# Allegro board pc065a_toplevel_49_modvia.brd (continued)
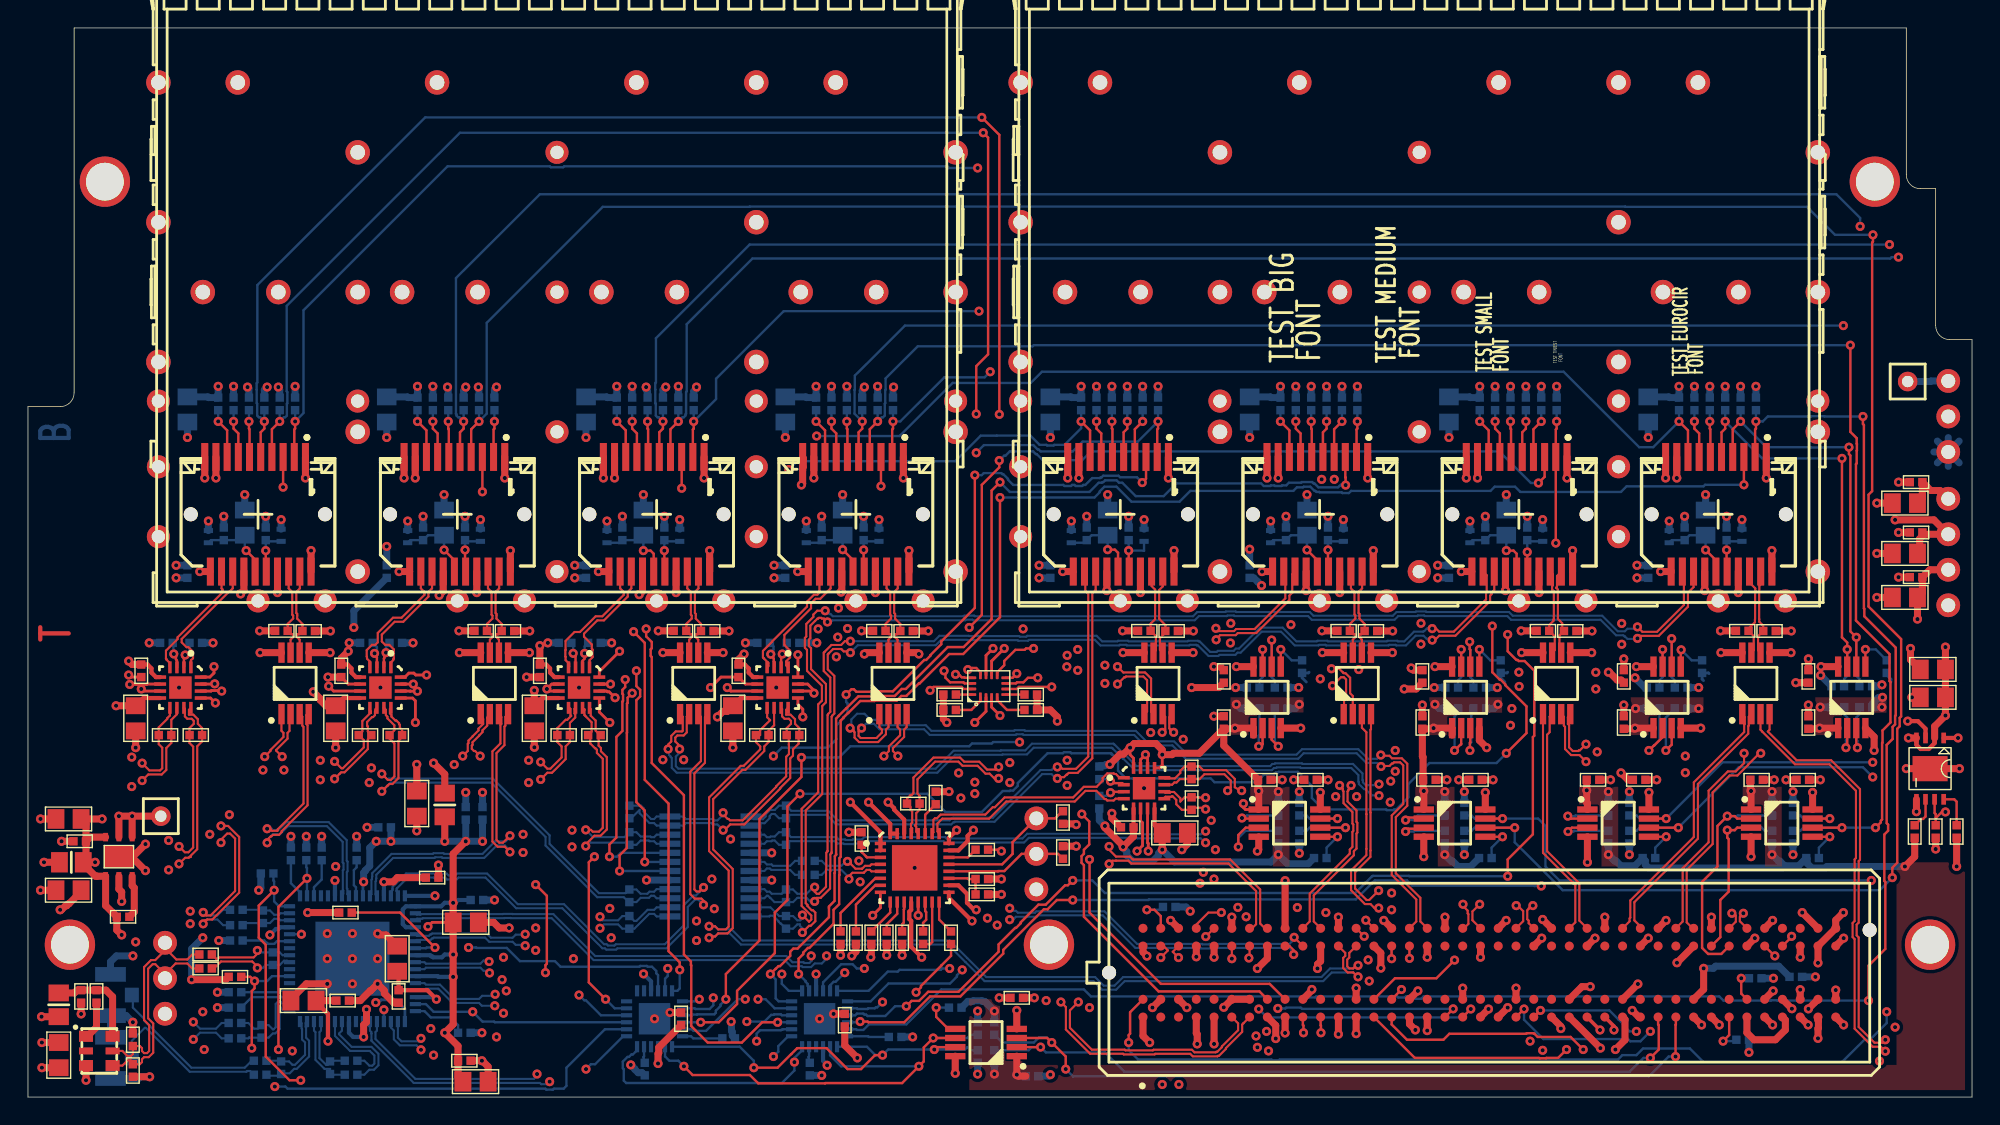
[diagram p0: board, top side]
## Routing (per net, layer and track width the routed paths; a pad name or vN(x,y) marks a point on that pad's centre or on a via; arc(x,y) is an arc through that point) (continued)
SFP_TX_DISABLE<6>: length 93.9
  TOP w0.17: v1(108,43.94) 108.44,44.38 J28.3 ; v1(67.3,33.6) 68.2,34.5 68.2,43.81 69.45,45.05 v1(69.45,45.55)
  L3_SIG w0.17: v1(58.6,33.52) 59.27,34.2 66.7,34.2 v1(67.3,33.6)
  L6_SIG w0.17: v1(58.6,33.52) 57.72,33.52 57.68,33.48 57.66,33.48 57.33,33.15 57.33,33.12 57.12,32.92 57.12,32.38 57.12,32.38 57.12,32.36 56.77,32.01 56.77,28.47 56.3,28 56.3,21.2 55.3,20.2 55.3,14 53.9,12.6 v1(53.9,8.8)
  BOTTOM w0.17: IC10.7 54.4,7.6 53.9,8.1 v1(53.9,8.8) ; v1(69.45,45.55) 69.79,45.89 69.89,45.89 70.2,46.2 71.87,46.2 72.06,46.01 72.12,46.01 72.56,45.57 75.37,45.57 76,46.2 105.2,46.2 107.46,43.94 v1(108,43.94)
SFP_TX_DISABLE<7>: length 101.2
  TOP w0.17: v1(69.5,42.9) 69.5,34.33 66.87,31.7 65.86,31.7 63.76,29.6 63.7,29.6 62.8,28.7 62.44,28.7 62.11,28.37 60.55,28.37 60.52,28.34 59.51,28.34 58.65,27.48 58.63,27.48 58.3,27.15 58.3,27.13 58.11,26.94 58.11,17.19 58.02,17.1 58.02,15.91 58,15.88 58,13.8 57.6,13.4 57.6,12.4 55.87,10.67 55.76,10.67 55.43,10.34 55.43,10.23 55.1,9.9 v1(55.1,8.8) ; J24.3 v1(122.69,43.81)
  BOTTOM w0.17: v1(122.69,43.81) 119.91,43.81 119.8,43.7 114.3,43.7 113.9,43.3 106.7,43.3 106.33,43.67 104.87,43.67 104.57,43.37 94.6,43.37 94.45,43.22 93.98,43.22 93.97,43.23 93.96,43.23 93.92,43.27 92.36,43.27 92.33,43.3 92.13,43.3 92.05,43.37 91.99,43.37 91.69,43.67 91.21,43.67 91.17,43.63 90.73,43.63 90.47,43.37 83.11,43.37 82.34,42.6 78.9,42.6 77.83,43.67 76.96,43.67 76.63,43.34 76.63,43.28 76.25,42.9 v1(69.5,42.9) ; v1(55.1,8.8) 55.6,8.3 55.6,8.25 55.74,8.1 55.74,7.96 55.85,7.85 IC10.8
UNNAMED_1_CAPCERSMDCL2_I31_B: length 5.7
  TOP w0.17: J7.15 16.24,38.46 v1(15.6,39.1)
  BOTTOM w0.17: v1(15.6,39.1) 15.5,39.2 C34.2 15.15,39.85 C35.2 13.09,39.85 L5.1
UNNAMED_1_CAPCERSMDCL2_I31_B_1: length 5.7
  TOP w0.17: J12.15 30.49,38.41 v1(29.75,39.15)
  BOTTOM w0.17: L7.1 27.34,39.85 C44.2 28.6,40.2 C43.2 v1(29.75,39.15)
UNNAMED_1_CAPCERSMDCL2_I31_B_2: length 6
  TOP w0.17: J16.15 44.74,38.88 44.52,39.1 v1(44,39.1)
  BOTTOM w0.17: v1(44,39.1) C48.2 43.65,39.85 C49.2 42.31,39.66 L9.1
UNNAMED_1_CAPCERSMDCL2_I31_B_3: length 5.7
  TOP w0.17: v1(58.25,39.17) 58.99,38.43 J20.15
  BOTTOM w0.17: v1(58.25,39.17) C53.2 57.9,39.85 C54.2 56.56,39.66 L11.1
UNNAMED_1_CAPCERSMDCL2_I31_B_4: length 5.7
  TOP w0.17: v1(119.95,39.15) 120.69,38.41 J24.15
  BOTTOM w0.17: L13.1 117.53,39.85 C63.2 118.8,40.2 C62.2 v1(119.95,39.15)
UNNAMED_1_CAPCERSMDCL2_I31_B_5: length 6
  TOP w0.17: v1(105.7,39.1) 106.22,39.1 106.44,38.88 J28.15
  BOTTOM w0.17: v1(105.7,39.1) C67.2 104.55,40.2 C68.2 103.28,39.85 L15.1
UNNAMED_1_CAPCERSMDCL2_I31_B_6: length 5.7
  TOP w0.17: J32.15 92.19,38.41 v1(91.45,39.15)
  BOTTOM w0.17: L17.1 89.03,39.85 C73.2 90.3,40.2 C72.2 v1(91.45,39.15)
UNNAMED_1_CAPCERSMDCL2_I31_B_7: length 6
  TOP w0.17: J36.15 77.94,38.95 77.72,39.17 v1(77.2,39.17)
  BOTTOM w0.17: v1(77.2,39.17) C77.2 76.05,40.2 C78.2 75.52,39.66 L19.1
UNNAMED_1_CAPCERSMDCL2_I35_B: length 3.4
  TOP w0.17: J7.16 17,37.64 v1(17,39.1)
  BOTTOM w0.17: 18.1,39.77 17.09,39.77 C33.2 v1(17,39.1)
UNNAMED_1_CAPCERSMDCL2_I35_B_1: length 3.4
  TOP w0.17: v1(31.25,39.15) 31.25,37.64 J12.16
  BOTTOM w0.17: v1(31.25,39.15) C42.2 31.34,39.77 32.35,39.77
UNNAMED_1_CAPCERSMDCL2_I35_B_2: length 3.4
  TOP w0.17: v1(45.5,39.1) 45.5,37.64 J16.16
  BOTTOM w0.17: v1(45.5,39.1) C47.2 45.59,39.77 46.6,39.77
UNNAMED_1_CAPCERSMDCL2_I35_B_3: length 3.4
  TOP w0.17: J20.16 59.75,37.64 v1(59.75,39.15)
  BOTTOM w0.17: v1(59.75,39.15) C52.2 59.84,39.77 60.85,39.77
UNNAMED_1_CAPCERSMDCL2_I35_B_4: length 3.4
  TOP w0.17: J24.16 121.45,37.64 v1(121.45,39.15)
  BOTTOM w0.17: 122.55,39.77 121.53,39.77 C61.2 v1(121.45,39.15)
UNNAMED_1_CAPCERSMDCL2_I35_B_5: length 3.4
  TOP w0.17: v1(107.2,39) 107.2,37.64 J28.16
  BOTTOM w0.17: 108.3,39.77 107.28,39.77 C66.2 v1(107.2,39)
UNNAMED_1_CAPCERSMDCL2_I35_B_6: length 3.4
  TOP w0.17: v1(92.95,39.15) 92.95,37.64 J32.16
  BOTTOM w0.17: 94.05,39.77 93.03,39.77 C71.2 v1(92.95,39.15)
UNNAMED_1_CAPCERSMDCL2_I35_B_7: length 4.1
  TOP w0.17: v1(78.7,39.1) 78.7,37.64 J36.16
  BOTTOM w0.17: C76.2 v1(78.7,39.1) 79.78,39.1 79.8,39.08 79.8,39.77
UNNAMED_1_CON20PSFP_I19_RATES_1: length 3.5
  TOP w0.17: J12.7 29.29,47.49 28.95,47.83 v1(28.95,48.35)
  BOTTOM w0.17: R41.1 v1(28.95,48.35)
UNNAMED_1_CON20PSFP_I19_RATES_2: length 3.5
  TOP w0.17: v1(43.2,48.35) 43.2,47.83 43.54,47.49 J16.7
  BOTTOM w0.17: R49.1 v1(43.2,48.35)
UNNAMED_1_CON20PSFP_I19_RATES_3: length 3.5
  TOP w0.17: J20.7 57.79,47.49 57.45,47.83 v1(57.45,48.35)
  BOTTOM w0.17: R57.1 v1(57.45,48.35)
UNNAMED_1_CON20PSFP_I19_RATES_4: length 3.5
  TOP w0.17: v1(119.15,48.35) 119.15,47.83 119.49,47.49 J24.7
  BOTTOM w0.17: R106.1 v1(119.15,48.35)
UNNAMED_1_CON20PSFP_I19_RATES_5: length 3.5
  TOP w0.17: v1(104.9,48.35) 104.9,47.83 105.24,47.49 J28.7
  BOTTOM w0.17: R114.1 v1(104.9,48.35)
UNNAMED_1_CON20PSFP_I19_RATES_6: length 3.5
  TOP w0.17: v1(90.65,48.35) 90.65,47.83 90.99,47.49 J32.7
  BOTTOM w0.17: R122.1 v1(90.65,48.35)
UNNAMED_1_CON20PSFP_I19_RATES_7: length 3.5
  TOP w0.17: v1(76.4,48.35) 76.4,47.83 76.74,47.49 J36.7
  BOTTOM w0.17: R130.1 v1(76.4,48.35)
UNNAMED_1_CON20PSFP_I19_RATESEL: length 3.5
  TOP w0.17: J7.7 15.04,47.49 14.7,47.83 v1(14.7,48.35)
  BOTTOM w0.17: R29.1 v1(14.7,48.35)
UNNAMED_1_RSMD0402_I7_B: length 3.3
  TOP w0.17: IC11.5 65.8,4.88 64.94,5.74 v1(64.94,6.4)
  BOTTOM w0.17: R133.2 v1(64.94,6.4)
UNNAMED_1_RSMD0402_I7_B_1: length 3.1
  TOP w0.17: IC12.5 v1(93.63,18.62)
  BOTTOM w0.17: R138.2 92.85,17.85 v1(93.63,18.62)
UNNAMED_1_RSMD0402_I7_B_2: length 3.1
  TOP w0.17: IC14.5 v1(105.43,18.62)
  BOTTOM w0.17: R143.2 104.65,17.85 v1(105.43,18.62)
UNNAMED_1_RSMD0402_I7_B_3: length 3.1
  TOP w0.17: IC15.5 v1(117.13,18.62)
  BOTTOM w0.17: R148.2 116.35,17.85 v1(117.13,18.62)
UNNAMED_1_RSMD0402_I7_B_4: length 3.1
  TOP w0.17: IC16.5 v1(128.83,18.62)
  BOTTOM w0.17: R153.2 128.05,17.85 v1(128.83,18.62)
UNNAMED_1_RSMD0402_I7_B_5: length 3.1
  TOP w0.17: 89.58,30.8 v1(89.58,32.03)
  BOTTOM w0.17: R158.2 90.35,31.25 v1(89.58,32.03)
UNNAMED_1_RSMD0402_I7_B_6: length 3.1
  TOP w0.17: 103.78,30.8 v1(103.78,32.03)
  BOTTOM w0.17: R163.2 104.55,31.25 v1(103.78,32.03)
UNNAMED_1_RSMD0402_I7_B_7: length 3
  TOP w0.17: v1(118.2,32) 118.17,31.98 IC19.5
  BOTTOM w0.17: R168.2 118.95,31.25 v1(118.2,32)
UNNAMED_1_RSMD0402_I7_B_8: length 3.1
  TOP w0.17: IC20.5 v1(131.38,32.03)
  BOTTOM w0.17: v1(131.38,32.03) 132.12,32.03 R173.2
UNNAMED_1_RSMD0402_I10_B: length 1.9
  TOP w0.17: IC4.3 10.65,31.24 10.58,31.31 10.58,31.45 10.5,31.53 10.5,31.63 v1(10.43,31.71)
  BOTTOM w0.17: v1(10.43,31.71) 10.43,31.77 10.4,31.8 10.4,32.45 R59.2
UNNAMED_1_RSMD0402_I10_B_1: length 2
  TOP w0.17: IC5.3 24.95,31.45 24.8,31.6 24.8,31.73 v1(24.78,31.75)
  BOTTOM w0.17: R63.2 24.95,32.2 24.95,31.95 24.8,31.8 24.8,31.77 v1(24.78,31.75)
UNNAMED_1_RSMD0402_I10_B_2: length 1.9
  TOP w0.17: IC6.3 39.15,31.55 39,31.7 39,31.73 v1(38.98,31.75)
  BOTTOM w0.17: v1(38.98,31.75) 38.98,32.37 R67.2
UNNAMED_1_RSMD0402_I10_B_3: length 2
  TOP w0.17: v1(53.11,31.69) 53.2,31.6 53.2,31.5 53.33,31.38 53.33,31.19 53.35,31.16 IC7.3
  BOTTOM w0.17: v1(53.11,31.69) 53.2,31.78 53.2,31.9 53.3,32 53.3,32.25 R71.2
UNNAMED_1_RSMD0402_I10_B_4: length 1.9
  TOP w0.17: v1(77.4,21.78) 77.46,21.84 78.34,21.84 IC13.3
  BOTTOM w0.17: v1(77.4,21.78) 77.34,21.78 77.11,21.55 R96.2
UNNAMED_1_RSMD0402_I11_B: length 1.9
  TOP w0.17: v1(11.24,31.63) 11.15,31.54 IC4.2
  BOTTOM w0.17: v1(11.24,31.63) 11.24,31.64 11.55,31.95 R58.2
UNNAMED_1_RSMD0402_I11_B_1: length 1.9
  TOP w0.17: v1(25.6,31.8) 25.6,31.6 25.48,31.48 25.48,31.41 25.45,31.39 IC5.2
  BOTTOM w0.17: R62.2 25.6,32.25 v1(25.6,31.8)
UNNAMED_1_RSMD0402_I11_B_2: length 1.9
  TOP w0.17: v1(39.8,31.75) 39.8,31.75 39.8,31.7 39.8,31.7 39.8,31.36 39.65,31.21 IC6.2
  BOTTOM w0.17: R66.2 39.8,32.25 v1(39.8,31.75)
UNNAMED_1_RSMD0402_I11_B_3: length 2
  TOP w0.17: IC7.2 53.85,31.62 v1(53.93,31.7)
  BOTTOM w0.17: v1(53.93,31.7) 54.08,31.7 54.25,31.87 R70.2
UNNAMED_1_RSMD0402_I11_B_4: length 1.9
  TOP w0.17: IC13.2 78.24,22.46 77.54,22.46 v1(77.4,22.6)
  BOTTOM w0.17: R95.2 77.11,22.75 77.26,22.6 v1(77.4,22.6)
UNNAMED_4_FMCLPCGENERIC_I1_GA0: length 2.9
  TOP w0.17: v1(121.2,4) 121.64,4.44 121.64,5.73
  BOTTOM w0.17: R184.2 122.05,4 v1(121.2,4)
UNNAMED_4_FMCLPCGENERIC_I1_GA1: length 2.2
  TOP w0.17: 122.91,7 122.5,7.4 v1(122.5,8.5)
  BOTTOM w0.17: R185.2 v1(122.5,8.5)
UNNAMED_7_CAPCERSMDCL2_I28_B: length 2.7
  TOP w0.17: C101.2 137.9,21.13 137.73,21.3 U11.8
UNNAMED_7_CON3P_I14_A: length 2.9
  BOTTOM w0.5: TP10.1 136.03,51.2 136.07,51.24 J39.1
UNNAMED_7_MP20075REG_I17_REF: length 2.3
  TOP w0.17: U11.6 135.68,20.08 135.5,19.9 135.35,19.9 R183.2
UNNAMED_8_DSC1123CI5_I74_EN: length 2.8
  TOP w0.5: QZ1.1 4.25,4.35 4.9,5 R3.2
UNNAMED_8_LP38692SD_I104_EN: length 3.1
  TOP w0.5: R2.2 7.6,13.25 7.6,14.97 7.45,15.12 U2.3
UNNAMED_8_RSMD0402_I25_B: length 3.8
  BOTTOM w0.17: R20.2 16,7.15 IC3.3
UNNAMED_8_RSMD0402_I26_B: length 3.5
  BOTTOM w0.17: R21.2 17.94,7.5 18.09,7.65 IC3.4
UNNAMED_8_RSMD0402_I28_B: length 4
  BOTTOM w0.17: IC3.48 28.35,6.15 28.8,5.7 30.2,5.7 30.75,5.15 R18.2
UNNAMED_8_RSMD0402_I29_B: length 2.7
  BOTTOM w0.17: R19.2 23.5,16.44 23.3,16.24 23.3,15.16 23.45,15.01 IC3.25
UNNAMED_8_RSMD0402_I30_B: length 8.4
  TOP w0.17: R6.2 26.6,13.2 v1(29.1,10.7)
  BOTTOM w0.17: v1(29.1,10.7) 28.51,10.7 28.46,10.65 IC3.39
UNNAMED_8_RSMD0402_I66_B: length 3.5
  BOTTOM w0.17: R10.2 16.89,11.2 17.06,11.03 17.09,11.03 17.16,10.96 17.61,10.96 17.8,11.15 IC3.11
UNNAMED_8_RSMD0402_I67_B: length 2.8
  BOTTOM w0.17: IC3.17 19.45,14.65 18.8,15.3 R11.2
UNNAMED_8_RSMD0402_I68_B: length 2.8
  BOTTOM w0.17: R12.2 21,15.56 20.45,15.01 IC3.19
UNNAMED_10_ADN2814_I34_CF1: length 3.6
  TOP w0.17: IC9.15 64.65,11.09 64.51,10.95 C58.1
UNNAMED_10_ADN2814_I34_CF2: length 2.2
  TOP w0.17: C58.2 64,12.46 64.22,12.68 64.22,13.24 64.15,13.31 IC9.14
UNNAMED_10_ADN2814_I34_LOL: length 2.5
  TOP w0.17: R91.1 65.15,12.7 IC9.16
UNNAMED_10_ADN2814_I34_LOS: length 2.1
  TOP w0.17: R89.2 67.2,17.15 IC9.22
UNNAMED_10_ADN2814_I34_REFCLKN: length 2.2
  TOP w0.17: IC9.11 62.65,13.46 62.62,13.43 62.62,12.48 62.5,12.36 R85.2
UNNAMED_10_ADN2814_I34_REFCLKP: length 2.4
  TOP w0.17: IC9.10 62.15,13.11 61.4,12.36 R84.2
UNNAMED_10_ADN2814_I34_SADDRS: length 3
  TOP w0.17: IC9.19 67.19,15.65 67.24,15.6 R82.2 R83.2
UNNAMED_10_ADN2814_I34_SLICEN: length 4.2
  TOP w0.17: R87.2 59.2,13.77 60.58,15.15 IC9.7
UNNAMED_10_ADN2814_I34_SLICEP: length 5.2
  TOP w0.17: IC9.6 60.58,15.65 58.1,13.17 R86.2
UNNAMED_10_ADN2814_I34_SQUELCH: length 2.4
  TOP w0.17: IC9.27 64.15,20.2 R90.1
UNNAMED_10_ADN2814_I34_THRADJ: length 2.7
  TOP w0.17: R88.2 61.65,13.2 IC9.9
UNNAMED_10_ADN2814_I34_VREF: length 2
  TOP w0.17: C57.1 59.6,17.54 59.61,17.52 59.62,17.52 59.92,17.22 59.92,17.21 59.99,17.15 IC9.3
UNNAMED_13_74AVC4T245BRIS_I75_1: length 2.4
  TOP w0.17: R176.1 70,27.7 69.3,28.4 IC21.4
UNNAMED_13_74AVC4T245BRIS_I75_2: length 2.3
  TOP w0.17: IC21.1 68.1,28.35 67.45,27.7 R177.2
UNNAMED_13_74AVC4T245BRIS_I76_1: length 1.1
  TOP w0.17: IC21.16 R179.2
UNNAMED_13_74AVC4T245BRIS_I76_2: length 1.3
  TOP w0.17: IC21.5 R178.1
UNNAMED_13_RSMD0402_I6_B: length 3
  BOTTOM w0.17: R31.2 60.12,4.3 60.07,4.35 IC10.18
UNNAMED_13_RSMD0402_I8_B: length 1.2
  BOTTOM w0.17: IC10.23 55.85,2.91 55.8,2.86 R32.2
UNNAMED_13_RSMD0402_I45_B: length 2.9
  BOTTOM w0.17: IC23.18 47.41,4.35 47.56,4.2 R180.2
UNNAMED_13_RSMD0402_I46_B: length 1.2
  BOTTOM w0.17: IC23.23 44.05,2.91 44,2.86 R181.2
VADJ: length 11.8
  TOP w0.5: v1(127.98,9.6) J10.G39 129.25,12.08 129.25,12.66 v1(129.8,13.2)
  BOTTOM w0.5: 136.27,46.16 J39.3 ; J39.3 137.3,45.13 ; J39.3 137.3,47.19 ; J39.3 136.52,46.94 ; J39.3 136.52,45.38 ; J39.3 138.08,45.38 ; J39.3 138.08,46.94
XA: length 6.3
  TOP w0.15: C29.1 13.3,9.2 13.8,9.7 16.03,9.7 16.4,9.33 v1(16.4,9.24)
  BOTTOM w0.15: IC3.8 18.62,9.65 18.52,9.76 18.31,9.76 18,9.45 R17.1 17,9.45 16.79,9.24 v1(16.4,9.24)
XB: length 6.2
  TOP w0.15: C30.1 13.45,9.9 13.59,9.9 13.68,9.99 16.14,9.99 16.4,10.25 v1(16.4,10.49)
  BOTTOM w0.15: v1(16.4,10.49) 16.54,10.35 R17.2 18,10.35 18.2,10.15 IC3.9

## Copper pours and planes (outline as drawn; the poured copper is in the pictures)
GND on L2_GND, L4_GND: 0.5,0.5 138.5,0.5 138.5,53.7 137.4,53.7 136.34,54.14 135.9,55.2 135.9,64.5 135.3,64.5 134.24,64.94 133.8,66 133.8,76 3.8,76 3.8,50.4 3.36,49.34 2.3,48.9 0.5,48.9
P1V3 on L5_PWR: 0.5,0.5 138.5,0.5 138.5,53.7 137.4,53.7 136.34,54.14 135.9,55.2 135.9,64.5 135.3,64.5 134.24,64.94 133.8,66 133.8,76 3.8,76 3.8,50.4 3.36,49.34 2.3,48.9 0.5,48.9
P1V8A on L5_PWR: 29.8,15.1 27.6,15.1 27.6,5 20.2,5 20.2,3 6,3 6,18.9 11.2,18.9 11.2,21.5 3.2,21.5 3.2,0.5 29.8,0.5
P2V5 on TOP: 67.3,7 67.3,0.5 138.5,0.5 138.5,16.8 133.6,16.8 133.6,2.3 71.1,2.3 71.1,3.2 69.5,3.2 69.5,7
P2V5 on TOP: 102,16.5 102,22.2 99.2,22.2 99.2,20.3 100.8,20.3 100.8,16.5
P2V5 on TOP: 125.4,16.5 125.4,22.2 122.6,22.2 122.6,20.3 124.2,20.3 124.2,16.5
P2V5 on TOP: 133,28.6 127.8,28.6 127.8,25.9 129.7,25.9 129.7,27.5 133,27.5
P2V5 on TOP: 113.7,16.5 113.7,22.2 110.9,22.2 110.9,20.3 112.5,20.3 112.5,16.5
P2V5 on TOP: 91.2,28.6 85.98,28.6 85.98,25.92 87.88,25.92 87.88,27.52 91.2,27.52
P2V5 on TOP: 105.4,28.6 100.2,28.6 100.2,25.9 102.1,25.9 102.1,27.5 105.4,27.5
P2V5 on TOP: 119.8,28.6 114.6,28.6 114.6,25.9 116.5,25.9 116.5,27.5 119.8,27.5
P2V5 on TOP: 90.2,16.5 90.2,22.2 87.4,22.2 87.4,20.3 89,20.3 89,16.5
P2V5 on BOTTOM: 47.8,32.9 56.7,32.9 56.7,31.2 86,31.2 86,29.7 90.6,29.7 90.6,30.8 91.7,30.8 91.7,29.7 104.8,29.7 104.8,30.8 105.9,30.8 105.9,29.7 119.2,29.7 119.2,30.8 120.3,30.8 120.3,29.7 132.4,29.7 132.4,30.8 133.5,30.8 133.5,27.5 70.2,27.5 70.2,26.9 68.9,26.9 68.9,27.5 56.7,27.5 56.7,25.4 5.5,25.4 5.5,32.9 14.4,32.9 14.4,26.4 19.8,26.4 19.8,32.9 28.7,32.9 28.7,26.4 34,26.4 34,32.9 42.9,32.9 42.9,26.4 47.8,26.4
P2V5 on L5_PWR: 138.5,47.4 138.5,50 131.6,50 131.6,16.2 135.3,16.2 135.3,22.5 133.9,22.5 133.9,39.6 135.3,39.6 135.3,47.4
P3V3 on L7_PWR: 0.5,0.5 138.5,0.5 138.5,53.7 137.4,53.7 136.34,54.14 135.9,55.2 135.9,64.5 135.3,64.5 134.24,64.94 133.8,66 133.8,76 3.8,76 3.8,50.4 3.36,49.34 2.3,48.9 0.5,48.9
P3V3A on L7_PWR: 4.4,20.3 4.4,10.9 20.5,10.9 20.5,19.3 15.6,19.3 15.6,16.3 6,16.3 6,20.3
P3V3B on L7_PWR: 22.4,15.9 22.4,13.9 23.7,13.9 23.7,15.9 24.3,15.9 24.3,13.9 25.2,13.9 25.2,15.9 25.8,15.9 25.8,15.1 25.7,15.1 25.7,13.9 26.2,13.9 26.2,5.9 23.8,5.9 23.8,7.4 25.5,7.4 25.5,12.7 21.6,12.7 21.6,15.9
VADJ on BOTTOM: 127.4,9.3 127.5,9.2 138.5,9.2 138.5,47.5 134.1,47.5 134.1,14.1 127.4,14.1

## Text on the board
BOTTOM: B
User.Comments: PIN A1 REF. | SECOND CONNECTOR | (OPTIONAL) | PRIMARY CONNECTOR
TOP: T
Ref Des/Silkscreen Top: TEST TINIEST | FONT | TEST EUROCIR | TEST SMALL | TEST MEDIUM | TEST BIG
L2_GND: 2
L3_SIG: 3
L4_GND: 4
L5_PWR: 5
L6_SIG: 6
L7_PWR: 7
DIMENSION: INPUT 1
